# KiCad board SparkFun_Pro_Mini-ESP32_panelized.kicad_pcb (continued)
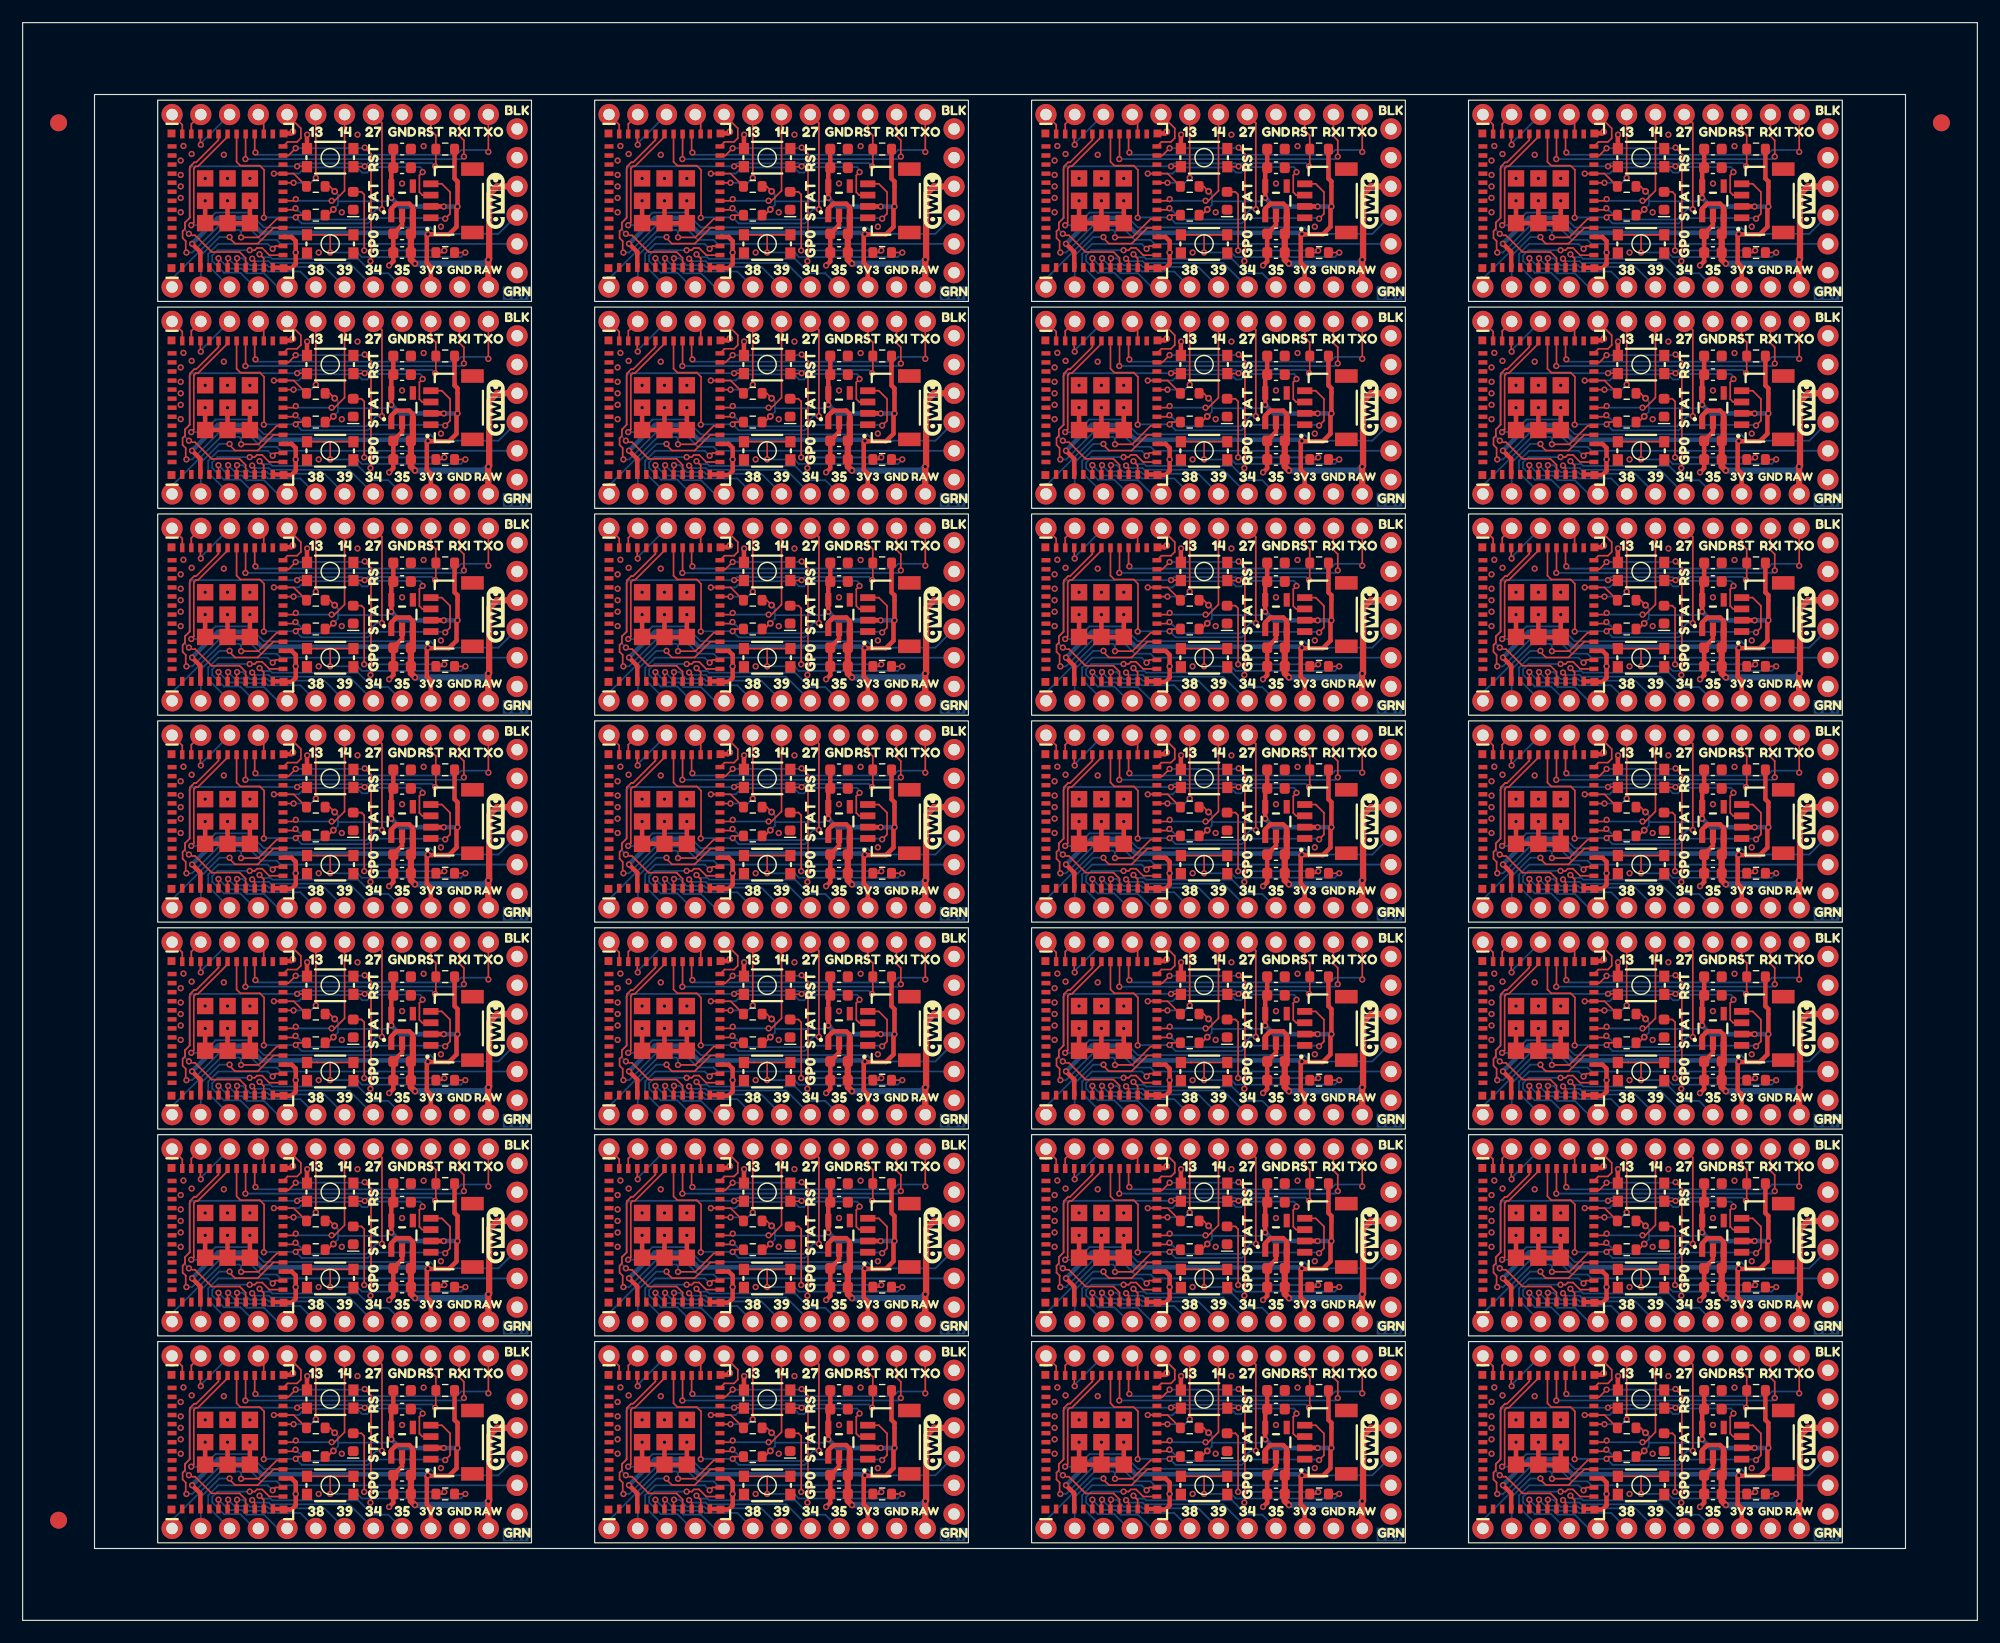
[diagram p0: board, top side]
## Routing (per net, layer and track width the routed paths; a pad name or vN(x,y) marks a point on that pad's centre or on a via; arc(x,y) is an arc through that point) (continued)
ESP_13A: length 242.9
  Top w0.152: v2(139.73,90.45) 138.81,90.45 U1#3.20 ; U1#13.20 100.21,90.45 v2(101.13,90.45) ; v2(141.7,90.89) J3#24.6 ; U1#28.20 23.01,53.89 v2(23.93,53.89) ; v2(103.1,36.05) J3#20.6 ; U1#16.20 61.61,90.45 v2(62.53,90.45) ; U1#18.20 23.01,127.01 v2(23.93,127.01) ; v2(101.13,35.61) 100.21,35.61 U1#8.20 ; U1#26.20 138.81,17.33 v2(139.73,17.33) ; v2(139.73,127.01) 138.81,127.01 U1#9.20 ; v2(23.93,17.33) 23.01,17.33 U1.20 ; v2(141.7,127.45) J3#7.6 ; U1#2.20 23.01,35.61 v2(23.93,35.61) ; U1#15.20 61.61,72.17 v2(62.53,72.17) ; v2(103.1,72.61) J3#23.6 ; v2(139.73,35.61) 138.81,35.61 U1#27.20 ; U1#6.20 23.01,108.73 v2(23.93,108.73) ; v2(141.7,109.17) J3#11.6 ; v2(101.13,53.89) 100.21,53.89 U1#5.20 ; U1#17.20 61.61,35.61 v2(62.53,35.61) ; v2(139.73,53.89) 138.81,53.89 U1#7.20 ; v2(62.53,53.89) 61.61,53.89 U1#20.20 ; v2(62.53,17.33) 61.61,17.33 U1#4.20 ; v2(64.5,90.89) J3#16.6 ; U1#24.20 23.01,72.17 v2(23.93,72.17) ; U1#12.20 138.81,72.17 v2(139.73,72.17) ; U1#25.20 23.01,90.45 v2(23.93,90.45) ; v2(101.13,108.73) 100.21,108.73 U1#11.20 ; v2(25.9,72.61) J3#12.6 ; v2(139.73,108.73) 138.81,108.73 U1#19.20 ; U1#23.20 61.61,127.01 v2(62.53,127.01) ; v2(101.13,17.33) 100.21,17.33 U1#22.20 ; v2(101.13,72.17) 100.21,72.17 U1#10.20 ; v2(101.13,127.01) 100.21,127.01 U1#14.20 ; v2(141.7,72.61) J3#3.6 ; v2(64.5,109.17) J3#13.6 ; v2(141.7,36.05) J3#9.6 ; v2(64.5,54.33) J3#5.6 ; v2(103.1,127.45) J3#2.6 ; v2(103.1,90.89) J3#10.6 ; v2(25.9,127.45) J3#22.6 ; v2(25.9,90.89) J3#14.6 ; v2(103.1,109.17) J3#26.6 ; v2(103.1,17.77) J3#15.6 ; v2(141.7,54.33) J3#6.6 ; v2(103.1,54.33) J3#8.6 ; v2(62.53,108.73) 61.61,108.73 U1#21.20 ; v2(64.5,36.05) J3.6 ; v2(25.9,54.33) J3#18.6 ; v2(25.9,36.05) J3#27.6 ; v2(25.9,17.77) J3#25.6 ; v2(25.9,109.17) J3#19.6 ; v2(64.5,127.45) J3#21.6 ; v2(64.5,72.61) J3#4.6 ; v2(141.7,17.77) J3#28.6 ; v2(64.5,17.77) J3#17.6
  Bottom w0.152: v2(62.53,17.33) 64.06,17.33 v2(64.5,17.77) ; v2(103.1,17.77) 102.66,17.33 v2(101.13,17.33) ; v2(139.73,90.45) 141.26,90.45 v2(141.7,90.89) ; v2(141.7,127.45) 141.26,127.01 v2(139.73,127.01) ; v2(62.53,127.01) 64.06,127.01 v2(64.5,127.45) ; v2(139.73,72.17) 141.26,72.17 v2(141.7,72.61) ; v2(139.73,17.33) 141.26,17.33 v2(141.7,17.77) ; v2(103.1,54.33) 102.66,53.89 v2(101.13,53.89) ; v2(103.1,127.45) 102.66,127.01 v2(101.13,127.01) ; v2(64.5,72.61) 64.06,72.17 v2(62.53,72.17) ; v2(139.73,35.61) 141.26,35.61 v2(141.7,36.05) ; v2(101.13,90.45) 102.66,90.45 v2(103.1,90.89) ; v2(101.13,108.73) 102.66,108.73 v2(103.1,109.17) ; v2(101.13,72.17) 102.66,72.17 v2(103.1,72.61) ; v2(23.93,72.17) 25.46,72.17 v2(25.9,72.61) ; v2(62.53,90.45) 64.06,90.45 v2(64.5,90.89) ; v2(139.73,108.73) 141.26,108.73 v2(141.7,109.17) ; v2(62.53,35.61) 64.06,35.61 v2(64.5,36.05) ; v2(25.9,54.33) 25.46,53.89 v2(23.93,53.89) ; v2(23.93,90.45) 25.46,90.45 v2(25.9,90.89) ; v2(25.9,36.05) 25.46,35.61 v2(23.93,35.61) ; v2(141.7,54.33) 141.26,53.89 v2(139.73,53.89) ; v2(25.9,17.77) 25.46,17.33 v2(23.93,17.33) ; v2(103.1,36.05) 102.66,35.61 v2(101.13,35.61) ; v2(64.5,109.17) 64.06,108.73 v2(62.53,108.73) ; v2(62.53,53.89) 64.06,53.89 v2(64.5,54.33) ; v2(25.9,109.17) 25.46,108.73 v2(23.93,108.73) ; v2(25.9,127.45) 25.46,127.01 v2(23.93,127.01)
ESP_14A: length 354.5
  Top w0.152: U1#28.18 23.98,52.3 v2(24.13,52.45) ; v2(143.1,107.14) 143.35,107.14 144.24,108.03 J3#11.7 ; v2(143.1,88.86) 143.35,88.86 144.24,89.75 J3#24.7 ; v2(139.93,125.57) 139.78,125.42 U1#9.18 ; U1#12.18 139.78,70.58 v2(139.93,70.73) ; J3#16.7 67.04,89.75 66.15,88.86 v2(65.9,88.86) ; J3#27.7 28.44,34.91 27.55,34.02 v2(27.3,34.02) ; v2(24.13,15.89) 23.98,15.74 U1.18 ; v2(62.73,70.73) 62.58,70.58 U1#15.18 ; J3#12.7 28.44,71.47 27.55,70.58 v2(27.3,70.58) ; J3#20.7 105.64,34.91 104.75,34.02 v2(104.5,34.02) ; v2(65.9,52.3) 66.15,52.3 67.04,53.19 J3#5.7 ; v2(139.93,107.29) 139.78,107.14 U1#19.18 ; J3#3.7 144.24,71.47 143.35,70.58 v2(143.1,70.58) ; J3#6.7 144.24,53.19 143.35,52.3 v2(143.1,52.3) ; v2(101.33,52.45) 101.18,52.3 U1#5.18 ; v2(139.93,89.01) 139.78,88.86 U1#3.18 ; v2(65.9,70.58) 66.15,70.58 67.04,71.47 J3#4.7 ; v2(62.73,34.17) 62.58,34.02 U1#17.18 ; U1#11.18 101.18,107.14 v2(101.33,107.29) ; U1#10.18 101.18,70.58 v2(101.33,70.73) ; U1#2.18 23.98,34.02 v2(24.13,34.17) ; U1#7.18 139.78,52.3 v2(139.93,52.45) ; v2(27.3,107.14) 27.55,107.14 28.44,108.03 J3#19.7 ; J3#26.7 105.64,108.03 104.75,107.14 v2(104.5,107.14) ; U1#22.18 101.18,15.74 v2(101.33,15.89) ; v2(62.73,107.29) 62.58,107.14 U1#21.18 ; U1#6.18 23.98,107.14 v2(24.13,107.29) ; J3#25.7 28.44,16.63 27.55,15.74 v2(27.3,15.74) ; J3#9.7 144.24,34.91 143.35,34.02 v2(143.1,34.02) ; J3#10.7 105.64,89.75 104.75,88.86 v2(104.5,88.86) ; U1#18.18 23.98,125.42 v2(24.13,125.57) ; v2(65.9,15.74) 66.15,15.74 67.04,16.63 J3#17.7 ; J3#18.7 28.44,53.19 27.55,52.3 v2(27.3,52.3) ; J3#23.7 105.64,71.47 104.75,70.58 v2(104.5,70.58) ; v2(27.3,125.42) 27.55,125.42 28.44,126.31 J3#22.7 ; J3#21.7 67.04,126.31 66.15,125.42 v2(65.9,125.42) ; U1#20.18 62.58,52.3 v2(62.73,52.45) ; U1#25.18 23.98,88.86 v2(24.13,89.01) ; J3#28.7 144.24,16.63 143.35,15.74 v2(143.1,15.74) ; U1#26.18 139.78,15.74 v2(139.93,15.89) ; v2(101.33,89.01) 101.18,88.86 U1#13.18 ; U1#14.18 101.18,125.42 v2(101.33,125.57) ; U1#23.18 62.58,125.42 v2(62.73,125.57) ; J3#13.7 67.04,108.03 66.15,107.14 v2(65.9,107.14) ; J3#7.7 144.24,126.31 143.35,125.42 v2(143.1,125.42) ; U1#16.18 62.58,88.86 v2(62.73,89.01) ; J3#2.7 105.64,126.31 104.75,125.42 v2(104.5,125.42) ; U1#27.18 139.78,34.02 v2(139.93,34.17) ; v2(24.13,70.73) 23.98,70.58 U1#24.18 ; v2(65.9,34.02) 66.15,34.02 67.04,34.91 J3.7 ; J3#14.7 28.44,89.75 27.55,88.86 v2(27.3,88.86) ; v2(62.73,15.89) 62.58,15.74 U1#4.18 ; v2(104.5,52.3) 104.75,52.3 105.64,53.19 J3#8.7 ; v2(104.5,15.74) 104.75,15.74 105.64,16.63 J3#15.7 ; v2(101.33,34.17) 101.18,34.02 U1#8.18
  Bottom w0.152: v2(62.73,70.73) 62.88,70.58 v2(65.9,70.58) ; v2(101.33,52.45) 101.48,52.3 v2(104.5,52.3) ; v2(24.13,89.01) 24.28,88.86 v2(27.3,88.86) ; v2(104.5,107.14) 101.48,107.14 v2(101.33,107.29) ; v2(101.33,125.57) 101.48,125.42 v2(104.5,125.42) ; v2(139.93,70.73) 140.08,70.58 v2(143.1,70.58) ; v2(24.13,52.45) 24.28,52.3 v2(27.3,52.3) ; v2(139.93,15.89) 140.08,15.74 v2(143.1,15.74) ; v2(27.3,70.58) 24.28,70.58 v2(24.13,70.73) ; v2(27.3,15.74) 24.28,15.74 v2(24.13,15.89) ; v2(62.73,34.17) 62.88,34.02 v2(65.9,34.02) ; v2(27.3,107.14) 24.28,107.14 v2(24.13,107.29) ; v2(65.9,107.14) 62.88,107.14 v2(62.73,107.29) ; v2(65.9,125.42) 62.88,125.42 v2(62.73,125.57) ; v2(143.1,107.14) 140.08,107.14 v2(139.93,107.29) ; v2(27.3,34.02) 24.28,34.02 v2(24.13,34.17) ; v2(143.1,125.42) 140.08,125.42 v2(139.93,125.57) ; v2(24.13,125.57) 24.28,125.42 v2(27.3,125.42) ; v2(62.73,89.01) 62.88,88.86 v2(65.9,88.86) ; v2(139.93,52.45) 140.08,52.3 v2(143.1,52.3) ; v2(104.5,88.86) 101.48,88.86 v2(101.33,89.01) ; v2(104.5,70.58) 101.48,70.58 v2(101.33,70.73) ; v2(104.5,34.02) 101.48,34.02 v2(101.33,34.17) ; v2(104.5,15.74) 101.48,15.74 v2(101.33,15.89) ; v2(62.73,15.89) 62.88,15.74 v2(65.9,15.74) ; v2(143.1,34.02) 140.08,34.02 v2(139.93,34.17) ; v2(65.9,52.3) 62.88,52.3 v2(62.73,52.45) ; v2(143.1,88.86) 140.08,88.86 v2(139.93,89.01)
ESP_15: length 575
  Top w0.152: v2(112.53,73.11) 112.24,72.83 112.24,71.34 112.51,71.08 J4#23.3 ; J4#8.3 35.31,107.64 35.04,107.9 35.04,109.39 v2(35.33,109.67) ; v2(99.39,72.98) U1#10.21 101.14,72.98 102.27,71.85 ; 102.27,108.41 101.14,109.54 U1#11.21 v2(99.39,109.54) ; v2(35.33,73.11) 35.04,72.83 35.04,71.34 35.31,71.08 J4.3 ; v2(73.93,109.67) 73.64,109.39 73.64,107.9 73.91,107.64 J4#19.3 ; v2(112.53,109.67) 112.24,109.39 112.24,107.9 112.51,107.64 J4#12.3 ; J4#5.3 73.91,34.52 73.64,34.78 73.64,36.27 v2(73.93,36.55) ; R4#18.2 23.95,54.7 U1#28.21 v2(22.19,54.7) ; J4#4.3 73.91,16.24 73.64,16.5 73.64,17.99 v2(73.93,18.27) ; v2(99.39,91.26) U1#13.21 101.14,91.26 102.27,90.13 ; 63.67,17.01 62.55,18.14 U1#4.21 v2(60.79,18.14) ; J4#15.3 151.11,125.92 150.84,126.18 150.84,127.67 v2(151.13,127.95) ; J4#18.3 35.31,89.36 35.04,89.62 35.04,91.11 v2(35.33,91.39) ; J4#26.3 73.91,125.92 73.64,126.18 73.64,127.67 v2(73.93,127.95) ; v2(112.53,91.39) 112.24,91.11 112.24,89.62 112.51,89.36 J4#27.3 ; v2(137.99,91.26) U1#3.21 139.75,91.26 R4.2 ; v2(35.33,54.83) 35.04,54.55 35.04,53.06 35.31,52.8 J4#10.3 ; v2(151.13,109.67) 150.84,109.39 150.84,107.9 151.11,107.64 J4#2.3 ; R4#15.2 23.95,72.98 U1#24.21 v2(22.19,72.98) ; v2(60.79,72.98) U1#15.21 62.55,72.98 63.67,71.85 ; v2(60.79,36.42) U1#17.21 62.55,36.42 63.67,35.29 ; J4#22.3 112.51,16.24 112.24,16.5 112.24,17.99 v2(112.53,18.27) ; R4#10.2 23.95,91.26 U1#25.21 v2(22.19,91.26) ; R4#4.2 139.75,109.54 U1#19.21 v2(137.99,109.54) ; 63.67,126.69 62.55,127.82 U1#23.21 v2(60.79,127.82) ; J4#24.3 151.11,52.8 150.84,53.06 150.84,54.55 v2(151.13,54.83) ; J4#20.3 73.91,89.36 73.64,89.62 73.64,91.11 v2(73.93,91.39) ; J4#11.3 73.91,71.08 73.64,71.34 73.64,72.83 v2(73.93,73.11) ; v2(60.79,91.26) U1#16.21 62.55,91.26 63.67,90.13 ; v2(151.13,18.27) 150.84,17.99 150.84,16.5 151.11,16.24 J4#9.3 ; J4#3.3 73.91,52.8 73.64,53.06 73.64,54.55 v2(73.93,54.83) ; v2(22.19,127.82) U1#18.21 23.95,127.82 R4#2.2 ; R4#26.2 23.95,18.14 U1.21 v2(22.19,18.14) ; R4#7.2 139.75,54.7 U1#7.21 v2(137.99,54.7) ; v2(99.39,36.42) U1#8.21 101.14,36.42 102.27,35.29 ; 63.67,108.41 62.55,109.54 U1#21.21 v2(60.79,109.54) ; 102.27,53.57 101.14,54.7 U1#5.21 v2(99.39,54.7) ; v2(22.19,109.54) U1#6.21 23.95,109.54 R4#14.2 ; v2(22.19,36.42) U1#2.21 23.95,36.42 R4#13.2 ; R4#16.2 139.75,72.98 U1#12.21 v2(137.99,72.98) ; J4#17.3 35.31,34.52 35.04,34.78 35.04,36.27 v2(35.33,36.55) ; v2(137.99,127.82) U1#9.21 139.75,127.82 R4#6.2 ; v2(35.33,127.95) 35.04,127.67 35.04,126.18 35.31,125.92 J4#13.3 ; v2(151.13,36.55) 150.84,36.27 150.84,34.78 151.11,34.52 J4#25.3 ; J4#6.3 112.51,34.52 112.24,34.78 112.24,36.27 v2(112.53,36.55) ; v2(60.79,54.7) U1#20.21 62.55,54.7 63.67,53.57 ; J4#21.3 35.31,16.24 35.04,16.5 35.04,17.99 v2(35.33,18.27) ; v2(112.53,54.83) 112.24,54.55 112.24,53.06 112.51,52.8 J4#14.3 ; R4#19.2 139.75,18.14 U1#26.21 v2(137.99,18.14) ; 102.27,126.69 101.14,127.82 U1#14.21 v2(99.39,127.82) ; J4#28.3 151.11,71.08 150.84,71.34 150.84,72.83 v2(151.13,73.11) ; v2(151.13,91.39) 150.84,91.11 150.84,89.62 151.11,89.36 J4#16.3 ; v2(112.53,127.95) 112.24,127.67 112.24,126.18 112.51,125.92 J4#7.3 ; 102.27,17.01 101.14,18.14 U1#22.21 v2(99.39,18.14) ; R4#12.2 139.75,36.42 U1#27.21 v2(137.99,36.42)
  Bottom w0.152: 74.15,127.96 73.71,128.4 69.53,128.4 69.05,127.91 68.59,127.91 68.26,128.24 68.26,128.26 68.15,128.37 63.54,128.37 62.99,127.82 v2(60.79,127.82) ; 74.15,18.28 73.71,18.72 69.53,18.72 69.05,18.23 68.59,18.23 68.26,18.56 68.26,18.58 68.15,18.69 63.54,18.69 62.99,18.14 v2(60.79,18.14) ; 74.15,54.84 73.71,55.28 69.53,55.28 69.05,54.79 68.59,54.79 68.26,55.12 68.26,55.14 68.15,55.25 63.54,55.25 62.99,54.7 v2(60.79,54.7) ; v2(60.79,36.42) 62.99,36.42 63.54,36.97 68.15,36.97 68.26,36.86 68.26,36.84 68.59,36.51 69.05,36.51 69.53,37 73.71,37 74.15,36.56 ; v2(22.19,54.7) 24.39,54.7 24.94,55.25 29.55,55.25 29.66,55.14 29.66,55.12 29.99,54.79 30.45,54.79 30.93,55.28 35.11,55.28 35.55,54.84 ; v2(22.19,127.82) 24.39,127.82 24.94,128.37 29.55,128.37 29.66,128.26 29.66,128.24 29.99,127.91 30.45,127.91 30.93,128.4 35.11,128.4 35.55,127.96 ; v2(60.79,109.54) 62.99,109.54 63.54,110.09 68.15,110.09 68.26,109.98 68.26,109.96 68.59,109.63 69.05,109.63 69.53,110.12 73.71,110.12 74.15,109.68 ; 151.35,18.28 150.91,18.72 146.73,18.72 146.25,18.23 145.79,18.23 145.46,18.56 145.46,18.58 145.35,18.69 140.74,18.69 140.19,18.14 v2(137.99,18.14) ; v2(60.79,91.26) 62.99,91.26 63.54,91.81 68.15,91.81 68.26,91.7 68.26,91.68 68.59,91.35 69.05,91.35 69.53,91.84 73.71,91.84 74.15,91.4 ; 35.55,91.4 35.11,91.84 30.93,91.84 30.45,91.35 29.99,91.35 29.66,91.68 29.66,91.7 29.55,91.81 24.94,91.81 24.39,91.26 v2(22.19,91.26) ; v2(137.99,91.26) 140.19,91.26 140.74,91.81 145.35,91.81 145.46,91.7 145.46,91.68 145.79,91.35 146.25,91.35 146.73,91.84 150.91,91.84 151.35,91.4 ; v2(99.39,72.98) 101.59,72.98 102.14,73.53 106.75,73.53 106.86,73.42 106.86,73.4 107.19,73.07 107.65,73.07 108.13,73.56 112.31,73.56 112.75,73.12 ; v2(22.19,18.14) 24.39,18.14 24.94,18.69 29.55,18.69 29.66,18.58 29.66,18.56 29.99,18.23 30.45,18.23 30.93,18.72 35.11,18.72 35.55,18.28 ; v2(137.99,36.42) 140.19,36.42 140.74,36.97 145.35,36.97 145.46,36.86 145.46,36.84 145.79,36.51 146.25,36.51 146.73,37 150.91,37 151.35,36.56 ; v2(99.39,91.26) 101.59,91.26 102.14,91.81 106.75,91.81 106.86,91.7 106.86,91.68 107.19,91.35 107.65,91.35 108.13,91.84 112.31,91.84 112.75,91.4 ; 112.75,54.84 112.31,55.28 108.13,55.28 107.65,54.79 107.19,54.79 106.86,55.12 106.86,55.14 106.75,55.25 102.14,55.25 101.59,54.7 v2(99.39,54.7) ; 74.15,73.12 73.71,73.56 69.53,73.56 69.05,73.07 68.59,73.07 68.26,73.4 68.26,73.42 68.15,73.53 63.54,73.53 62.99,72.98 v2(60.79,72.98) ; 151.35,73.12 150.91,73.56 146.73,73.56 146.25,73.07 145.79,73.07 145.46,73.4 145.46,73.42 145.35,73.53 140.74,73.53 140.19,72.98 v2(137.99,72.98) ; v2(22.19,72.98) 24.39,72.98 24.94,73.53 29.55,73.53 29.66,73.42 29.66,73.4 29.99,73.07 30.45,73.07 30.93,73.56 35.11,73.56 35.55,73.12 ; 151.35,109.68 150.91,110.12 146.73,110.12 146.25,109.63 145.79,109.63 145.46,109.96 145.46,109.98 145.35,110.09 140.74,110.09 140.19,109.54 v2(137.99,109.54) ; 112.75,36.56 112.31,37 108.13,37 107.65,36.51 107.19,36.51 106.86,36.84 106.86,36.86 106.75,36.97 102.14,36.97 101.59,36.42 v2(99.39,36.42) ; 35.55,109.68 35.11,110.12 30.93,110.12 30.45,109.63 29.99,109.63 29.66,109.96 29.66,109.98 29.55,110.09 24.94,110.09 24.39,109.54 v2(22.19,109.54) ; v2(99.39,18.14) 101.59,18.14 102.14,18.69 106.75,18.69 106.86,18.58 106.86,18.56 107.19,18.23 107.65,18.23 108.13,18.72 112.31,18.72 112.75,18.28 ; v2(99.39,109.54) 101.59,109.54 102.14,110.09 106.75,110.09 106.86,109.98 106.86,109.96 107.19,109.63 107.65,109.63 108.13,110.12 112.31,110.12 112.75,109.68 ; v2(99.39,127.82) 101.59,127.82 102.14,128.37 106.75,128.37 106.86,128.26 106.86,128.24 107.19,127.91 107.65,127.91 108.13,128.4 112.31,128.4 112.75,127.96 ; 35.55,36.56 35.11,37 30.93,37 30.45,36.51 29.99,36.51 29.66,36.84 29.66,36.86 29.55,36.97 24.94,36.97 24.39,36.42 v2(22.19,36.42) ; v2(137.99,54.7) 140.19,54.7 140.74,55.25 145.35,55.25 145.46,55.14 145.46,55.12 145.79,54.79 146.25,54.79 146.73,55.28 150.91,55.28 151.35,54.84 ; v2(137.99,127.82) 140.19,127.82 140.74,128.37 145.35,128.37 145.46,128.26 145.46,128.24 145.79,127.91 146.25,127.91 146.73,128.4 150.91,128.4 151.35,127.96
ESP_19: length 131.1
  Top w0.152: v2(15.74,75.53) 15.7,75.57 U1#24.33 ; v2(131.54,38.97) 131.5,39.01 U1#27.33 ; U1#21.33 54.3,112.13 v2(54.34,112.09) ; U1#3.33 131.5,93.85 v2(131.54,93.81) ; U1#7.33 131.5,57.29 v2(131.54,57.25) ; U1#2.33 15.7,39.01 v2(15.74,38.97) ; U1#18.33 15.7,130.41 v2(15.74,130.37) ; U1#10.33 92.9,75.57 v2(92.94,75.53) ; v2(131.54,112.09) 131.5,112.13 U1#19.33 ; U1#23.33 54.3,130.41 v2(54.34,130.37) ; U1#11.33 92.9,112.13 v2(92.94,112.09) ; U1.33 15.7,20.73 v2(15.74,20.69) ; v2(54.34,38.97) 54.3,39.01 U1#17.33 ; v2(54.34,20.69) 54.3,20.73 U1#4.33 ; U1#14.33 92.9,130.41 v2(92.94,130.37) ; U1#15.33 54.3,75.57 v2(54.34,75.53) ; v2(131.54,75.53) 131.5,75.57 U1#12.33 ; U1#25.33 15.7,93.85 v2(15.74,93.81) ; v2(92.94,57.25) 92.9,57.29 U1#5.33 ; U1#28.33 15.7,57.29 v2(15.74,57.25) ; v2(131.54,20.69) 131.5,20.73 U1#26.33 ; U1#16.33 54.3,93.85 v2(54.34,93.81) ; U1#13.33 92.9,93.85 v2(92.94,93.81) ; v2(15.74,112.09) 15.7,112.13 U1#6.33 ; v2(54.34,57.25) 54.3,57.29 U1#20.33 ; U1#9.33 131.5,130.41 v2(131.54,130.37) ; U1#22.33 92.9,20.73 v2(92.94,20.69) ; U1#8.33 92.9,39.01 v2(92.94,38.97)
  Bottom w0.152: v2(131.54,112.09) 131.54,112.22 J3#11.3 ; v2(131.54,93.81) 131.54,93.94 J3#24.3 ; J3#14.3 15.74,93.94 v2(15.74,93.81) ; J3#7.3 131.54,130.5 v2(131.54,130.37) ; v2(92.94,57.25) 92.94,57.38 J3#8.3 ; J3#22.3 15.74,130.5 v2(15.74,130.37) ; J3#28.3 131.54,20.82 v2(131.54,20.69) ; v2(15.74,20.69) 15.74,20.82 J3#25.3 ; J3#20.3 92.94,39.1 v2(92.94,38.97) ; v2(92.94,75.53) 92.94,75.66 J3#23.3 ; v2(15.74,112.09) 15.74,112.22 J3#19.3 ; J3#12.3 15.74,75.66 v2(15.74,75.53) ; J3#26.3 92.94,112.22 v2(92.94,112.09) ; v2(54.34,38.97) 54.34,39.1 J3.3 ; v2(15.74,38.97) 15.74,39.1 J3#27.3 ; v2(54.34,112.09) 54.34,112.22 J3#13.3 ; J3#3.3 131.54,75.66 v2(131.54,75.53) ; J3#6.3 131.54,57.38 v2(131.54,57.25) ; J3#10.3 92.94,93.94 v2(92.94,93.81) ; v2(54.34,130.37) 54.34,130.5 J3#21.3 ; J3#18.3 15.74,57.38 v2(15.74,57.25) ; J3#2.3 92.94,130.5 v2(92.94,130.37) ; J3#17.3 54.34,20.82 v2(54.34,20.69) ; J3#16.3 54.34,93.94 v2(54.34,93.81) ; v2(54.34,75.53) 54.34,75.66 J3#4.3 ; v2(92.94,20.69) 92.94,20.82 J3#15.3 ; v2(54.34,57.25) 54.34,57.38 J3#5.3 ; J3#9.3 131.54,39.1 v2(131.54,38.97)
ESP_20: length 53.7
  Top w0.152: U1#8.26 98.5,41.16 J3#20.4 ; U1#16.26 59.9,96 J3#16.4 ; U1#28.26 21.3,59.44 J3#18.4 ; U1#21.26 59.9,114.28 J3#13.4 ; U1#3.26 137.1,96 J3#24.4 ; J3#12.4 21.3,77.72 U1#24.26 ; J3#11.4 137.1,114.28 U1#19.26 ; U1#12.26 137.1,77.72 J3#3.4 ; U1#17.26 59.9,41.16 J3.4 ; U1#26.26 137.1,22.88 J3#28.4 ; U1#14.26 98.5,132.56 J3#2.4 ; J3#14.4 21.3,96 U1#25.26 ; J3#10.4 98.5,96 U1#13.26 ; U1#5.26 98.5,59.44 J3#8.4 ; U1#15.26 59.9,77.72 J3#4.4 ; U1#27.26 137.1,41.16 J3#9.4 ; U1#7.26 137.1,59.44 J3#6.4 ; J3#26.4 98.5,114.28 U1#11.26 ; U1#10.26 98.5,77.72 J3#23.4 ; U1#6.26 21.3,114.28 J3#19.4 ; U1#2.26 21.3,41.16 J3#27.4 ; U1#4.26 59.9,22.88 J3#17.4 ; J3#21.4 59.9,132.56 U1#23.26 ; J3#5.4 59.9,59.44 U1#20.26 ; U1.26 21.3,22.88 J3#25.4 ; J3#15.4 98.5,22.88 U1#22.26 ; U1#9.26 137.1,132.56 J3#7.4 ; J3#22.4 21.3,132.56 U1#18.26
ESP_21: length 58.6
  Top w0.152: J3#6.1 129.9,59.02 U1#7.35 ; U1#19.35 129.9,113.86 J3#11.1 ; J3#5.1 52.7,59.02 U1#20.35 ; J3#9.1 129.9,40.74 U1#27.35 ; U1#18.35 14.1,132.14 J3#22.1 ; U1#9.35 129.9,132.14 J3#7.1 ; J3#12.1 14.1,77.3 U1#24.35 ; J3.1 52.7,40.74 U1#17.35 ; J3#8.1 91.3,59.02 U1#5.35 ; U1#8.35 91.3,40.74 J3#20.1 ; J3#17.1 52.7,22.46 U1#4.35 ; U1#6.35 14.1,113.86 J3#19.1 ; U1#15.35 52.7,77.3 J3#4.1 ; U1#16.35 52.7,95.58 J3#16.1 ; J3#23.1 91.3,77.3 U1#10.35 ; J3#18.1 14.1,59.02 U1#28.35 ; J3#3.1 129.9,77.3 U1#12.35 ; U1#3.35 129.9,95.58 J3#24.1 ; U1#23.35 52.7,132.14 J3#21.1 ; U1#13.35 91.3,95.58 J3#10.1 ; J3#13.1 52.7,113.86 U1#21.35 ; U1#14.35 91.3,132.14 J3#2.1 ; J3#27.1 14.1,40.74 U1#2.35 ; J3#15.1 91.3,22.46 U1#22.35 ; J3#14.1 14.1,95.58 U1#25.35 ; U1#11.35 91.3,113.86 J3#26.1 ; U1#26.35 129.9,22.46 J3#28.1 ; J3#25.1 14.1,22.46 U1.35
ESP_22: length 57.9
  Top w0.152: J3#11.2 130.7,113.92 U1#19.34 ; U1#13.34 92.1,95.64 J3#10.2 ; U1#27.34 130.7,40.8 J3#9.2 ; J3#23.2 92.1,77.36 U1#10.34 ; U1#12.34 130.7,77.36 J3#3.2 ; U1#28.34 14.9,59.08 J3#18.2 ; J3#27.2 14.9,40.8 U1#2.34 ; U1#24.34 14.9,77.36 J3#12.2 ; U1#9.34 130.7,132.2 J3#7.2 ; U1#4.34 53.5,22.52 J3#17.2 ; J3#22.2 14.9,132.2 U1#18.34 ; U1#22.34 92.1,22.52 J3#15.2 ; U1#8.34 92.1,40.8 J3#20.2 ; J3.2 53.5,40.8 U1#17.34 ; U1#5.34 92.1,59.08 J3#8.2 ; J3#24.2 130.7,95.64 U1#3.34 ; U1#25.34 14.9,95.64 J3#14.2 ; U1#26.34 130.7,22.52 J3#28.2 ; J3#4.2 53.5,77.36 U1#15.34 ; U1#20.34 53.5,59.08 J3#5.2 ; U1#6.34 14.9,113.92 J3#19.2 ; U1.34 14.9,22.52 J3#25.2 ; J3#6.2 130.7,59.08 U1#7.34 ; U1#11.34 92.1,113.92 J3#26.2 ; U1#16.34 53.5,95.64 J3#16.2 ; U1#23.34 53.5,132.2 J3#21.2 ; J3#2.2 92.1,132.2 U1#14.34 ; J3#13.2 53.5,113.92 U1#21.34
ESP_25A: length 324.4
  Top w0.152: U1#2.15 22.15,31.62 20.77,30.23 18.76,30.23 18.28,30.72 v2(18.28,30.82) ; v2(18.28,103.94) 18.28,103.84 18.76,103.35 20.77,103.35 22.15,104.74 U1#6.15 ; U1#9.15 137.95,123.02 136.57,121.63 134.56,121.63 134.08,122.12 v2(134.08,122.22) ; U1#23.15 60.75,123.02 59.37,121.63 57.36,121.63 56.88,122.12 v2(56.88,122.22) ; v2(56.88,85.66) 56.88,85.56 57.36,85.07 59.37,85.07 60.75,86.46 U1#16.15 ; v2(134.08,12.54) 134.08,12.44 134.56,11.95 136.57,11.95 137.95,13.34 U1#26.15 ; U1#8.15 99.35,31.62 97.97,30.23 95.96,30.23 95.48,30.72 v2(95.48,30.82) ; U1.15 22.15,13.34 20.77,11.95 18.76,11.95 18.28,12.44 v2(18.28,12.54) ; U1#12.15 137.95,68.18 136.57,66.79 134.56,66.79 134.08,67.28 v2(134.08,67.38) ; U1#28.15 22.15,49.9 20.77,48.51 18.76,48.51 18.28,49 v2(18.28,49.1) ; v2(95.48,85.66) 95.48,85.56 95.96,85.07 97.97,85.07 99.35,86.46 U1#13.15 ; v2(134.08,30.82) 134.08,30.72 134.56,30.23 136.57,30.23 137.95,31.62 U1#27.15 ; v2(134.08,103.94) 134.08,103.84 134.56,103.35 136.57,103.35 137.95,104.74 U1#19.15 ; v2(95.48,122.22) 95.48,122.12 95.96,121.63 97.97,121.63 99.35,123.02 U1#14.15 ; U1#25.15 22.15,86.46 20.77,85.07 18.76,85.07 18.28,85.56 v2(18.28,85.66) ; v2(56.88,12.54) 56.88,12.44 57.36,11.95 59.37,11.95 60.75,13.34 U1#4.15 ; U1#15.15 60.75,68.18 59.37,66.79 57.36,66.79 56.88,67.28 v2(56.88,67.38) ; U1#11.15 99.35,104.74 97.97,103.35 95.96,103.35 95.48,103.84 v2(95.48,103.94) ; v2(56.88,103.94) 56.88,103.84 57.36,103.35 59.37,103.35 60.75,104.74 U1#21.15 ; v2(134.08,85.66) 134.08,85.56 134.56,85.07 136.57,85.07 137.95,86.46 U1#3.15 ; U1#17.15 60.75,31.62 59.37,30.23 57.36,30.23 56.88,30.72 v2(56.88,30.82) ; U1#20.15 60.75,49.9 59.37,48.51 57.36,48.51 56.88,49 v2(56.88,49.1) ; U1#10.15 99.35,68.18 97.97,66.79 95.96,66.79 95.48,67.28 v2(95.48,67.38) ; U1#18.15 22.15,123.02 20.77,121.63 18.76,121.63 18.28,122.12 v2(18.28,122.22) ; v2(95.48,12.54) 95.48,12.44 95.96,11.95 97.97,11.95 99.35,13.34 U1#22.15 ; v2(95.48,49.1) 95.48,49 95.96,48.51 97.97,48.51 99.35,49.9 U1#5.15 ; v2(134.08,49.1) 134.08,49 134.56,48.51 136.57,48.51 137.95,49.9 U1#7.15 ; U1#24.15 22.15,68.18 20.77,66.79 18.76,66.79 18.28,67.28 v2(18.28,67.38)
  Bottom w0.152: J2.2 92.94,29.17 94.58,30.82 v2(95.48,30.82) ; v2(134.08,12.54) 133.18,12.54 131.54,10.89 J2#10.2 ; v2(18.28,30.82) 17.38,30.82 15.74,29.17 J2#15.2 ; J2#21.2 54.34,84.01 55.98,85.66 v2(56.88,85.66) ; J2#20.2 15.74,10.89 17.38,12.54 v2(18.28,12.54) ; J2#9.2 15.74,47.45 17.38,49.1 v2(18.28,49.1) ; v2(56.88,30.82) 55.98,30.82 54.34,29.17 J2#2.2 ; J2#14.2 92.94,65.73 94.58,67.38 v2(95.48,67.38) ; J2#12.2 131.54,29.17 133.18,30.82 v2(134.08,30.82) ; J2#19.2 54.34,102.29 55.98,103.94 v2(56.88,103.94) ; v2(95.48,85.66) 94.58,85.66 92.94,84.01 J2#16.2 ; v2(18.28,85.66) 17.38,85.66 15.74,84.01 J2#11.2 ; v2(134.08,103.94) 133.18,103.94 131.54,102.29 J2#27.2 ; J2#3.2 131.54,65.73 133.18,67.38 v2(134.08,67.38) ; v2(95.48,103.94) 94.58,103.94 92.94,102.29 J2#24.2 ; J2#7.2 15.74,102.29 17.38,103.94 v2(18.28,103.94) ; v2(134.08,49.1) 133.18,49.1 131.54,47.45 J2#13.2 ; J2#28.2 131.54,84.01 133.18,85.66 v2(134.08,85.66) ; J2#23.2 54.34,47.45 55.98,49.1 v2(56.88,49.1) ; J2#4.2 54.34,120.57 55.98,122.22 v2(56.88,122.22) ; v2(18.28,122.22) 17.38,122.22 15.74,120.57 J2#6.2 ; J2#25.2 54.34,65.73 55.98,67.38 v2(56.88,67.38) ; v2(18.28,67.38) 17.38,67.38 15.74,65.73 J2#22.2 ; J2#17.2 92.94,120.57 94.58,122.22 v2(95.48,122.22) ; v2(56.88,12.54) 55.98,12.54 54.34,10.89 J2#8.2 ; v2(95.48,49.1) 94.58,49.1 92.94,47.45 J2#18.2 ; v2(95.48,12.54) 94.58,12.54 92.94,10.89 J2#5.2 ; v2(134.08,122.22) 133.18,122.22 131.54,120.57 J2#26.2
ESP_26A: length 379.5
  Top w0.152: U1#9.16 138.25,123.82 136.62,122.19 v2(135.1,122.19) ; U1#5.16 99.65,50.7 98.02,49.07 v2(96.5,49.07) ; v2(135.1,85.63) 136.62,85.63 138.25,87.26 U1#3.16 ; v2(135.1,49.07) 136.62,49.07 138.25,50.7 U1#7.16 ; v2(96.5,12.51) 98.02,12.51 99.65,14.14 U1#22.16 ; U1#14.16 99.65,123.82 98.02,122.19 v2(96.5,122.19) ; U1#27.16 138.25,32.42 136.62,30.79 v2(135.1,30.79) ; U1#2.16 22.45,32.42 20.82,30.79 v2(19.3,30.79) ; v2(19.3,85.63) 20.82,85.63 22.45,87.26 U1#25.16 ; v2(57.9,103.91) 59.42,103.91 61.05,105.54 U1#21.16 ; v2(57.9,122.19) 59.42,122.19 61.05,123.82 U1#23.16 ; v2(19.3,122.19) 20.82,122.19 22.45,123.82 U1#18.16 ; U1#19.16 138.25,105.54 136.62,103.91 v2(135.1,103.91) ; v2(57.9,85.63) 59.42,85.63 61.05,87.26 U1#16.16 ; U1#15.16 61.05,68.98 59.42,67.35 v2(57.9,67.35) ; U1#13.16 99.65,87.26 98.02,85.63 v2(96.5,85.63) ; v2(57.9,30.79) 59.42,30.79 61.05,32.42 U1#17.16 ; U1#24.16 22.45,68.98 20.82,67.35 v2(19.3,67.35) ; U1#12.16 138.25,68.98 136.62,67.35 v2(135.1,67.35) ; v2(96.5,30.79) 98.02,30.79 99.65,32.42 U1#8.16 ; v2(19.3,12.51) 20.82,12.51 22.45,14.14 U1.16 ; v2(57.9,12.51) 59.42,12.51 61.05,14.14 U1#4.16 ; v2(19.3,49.07) 20.82,49.07 22.45,50.7 U1#28.16 ; U1#6.16 22.45,105.54 20.82,103.91 v2(19.3,103.91) ; v2(135.1,12.51) 136.62,12.51 138.25,14.14 U1#26.16 ; U1#10.16 99.65,68.98 98.02,67.35 v2(96.5,67.35) ; U1#11.16 99.65,105.54 98.02,103.91 v2(96.5,103.91) ; v2(57.9,49.07) 59.42,49.07 61.05,50.7 U1#20.16
  Bottom w0.152: v2(96.5,30.79) 96.5,31.29 96.35,31.44 94.71,31.44 90.4,27.13 J2.1 ; v2(57.9,49.07) 57.9,49.57 57.75,49.72 56.11,49.72 51.8,45.41 J2#23.1 ; v2(19.3,67.35) 19.3,67.85 19.15,68 17.51,68 13.2,63.69 J2#22.1 ; v2(19.3,103.91) 19.3,104.41 19.15,104.56 17.51,104.56 13.2,100.25 J2#7.1 ; v2(19.3,85.63) 19.3,86.13 19.15,86.28 17.51,86.28 13.2,81.97 J2#11.1 ; v2(96.5,122.19) 96.5,122.69 96.35,122.84 94.71,122.84 90.4,118.53 J2#17.1 ; v2(135.1,49.07) 135.1,49.57 134.95,49.72 133.31,49.72 129,45.41 J2#13.1 ; v2(135.1,67.35) 135.1,67.85 134.95,68 133.31,68 129,63.69 J2#3.1 ; J2#24.1 90.4,100.25 94.71,104.56 96.35,104.56 96.5,104.41 v2(96.5,103.91) ; J2#20.1 13.2,8.85 17.51,13.16 19.15,13.16 19.3,13.01 v2(19.3,12.51) ; J2#26.1 129,118.53 133.31,122.84 134.95,122.84 135.1,122.69 v2(135.1,122.19) ; v2(96.5,49.07) 96.5,49.57 96.35,49.72 94.71,49.72 90.4,45.41 J2#18.1 ; J2#12.1 129,27.13 133.31,31.44 134.95,31.44 135.1,31.29 v2(135.1,30.79) ; J2#10.1 129,8.85 133.31,13.16 134.95,13.16 135.1,13.01 v2(135.1,12.51) ; v2(135.1,85.63) 135.1,86.13 134.95,86.28 133.31,86.28 129,81.97 J2#28.1 ; v2(19.3,49.07) 19.3,49.57 19.15,49.72 17.51,49.72 13.2,45.41 J2#9.1 ; v2(96.5,85.63) 96.5,86.13 96.35,86.28 94.71,86.28 90.4,81.97 J2#16.1 ; v2(19.3,30.79) 19.3,31.29 19.15,31.44 17.51,31.44 13.2,27.13 J2#15.1 ; J2#25.1 51.8,63.69 56.11,68 57.75,68 57.9,67.85 v2(57.9,67.35) ; J2#6.1 13.2,118.53 17.51,122.84 19.15,122.84 19.3,122.69 v2(19.3,122.19) ; J2#4.1 51.8,118.53 56.11,122.84 57.75,122.84 57.9,122.69 v2(57.9,122.19) ; v2(57.9,30.79) 57.9,31.29 57.75,31.44 56.11,31.44 51.8,27.13 J2#2.1 ; J2#5.1 90.4,8.85 94.71,13.16 96.35,13.16 96.5,13.01 v2(96.5,12.51) ; v2(57.9,12.51) 57.9,13.01 57.75,13.16 56.11,13.16 51.8,8.85 J2#8.1 ; J2#27.1 129,100.25 133.31,104.56 134.95,104.56 135.1,104.41 v2(135.1,103.91) ; v2(57.9,103.91) 57.9,104.41 57.75,104.56 56.11,104.56 51.8,100.25 J2#19.1 ; J2#14.1 90.4,63.69 94.71,68 96.35,68 96.5,67.85 v2(96.5,67.35) ; J2#21.1 51.8,81.97 56.11,86.28 57.75,86.28 57.9,86.13 v2(57.9,85.63)